# Altium PCB pixracer_pcb_layout.PcbDoc (continued)
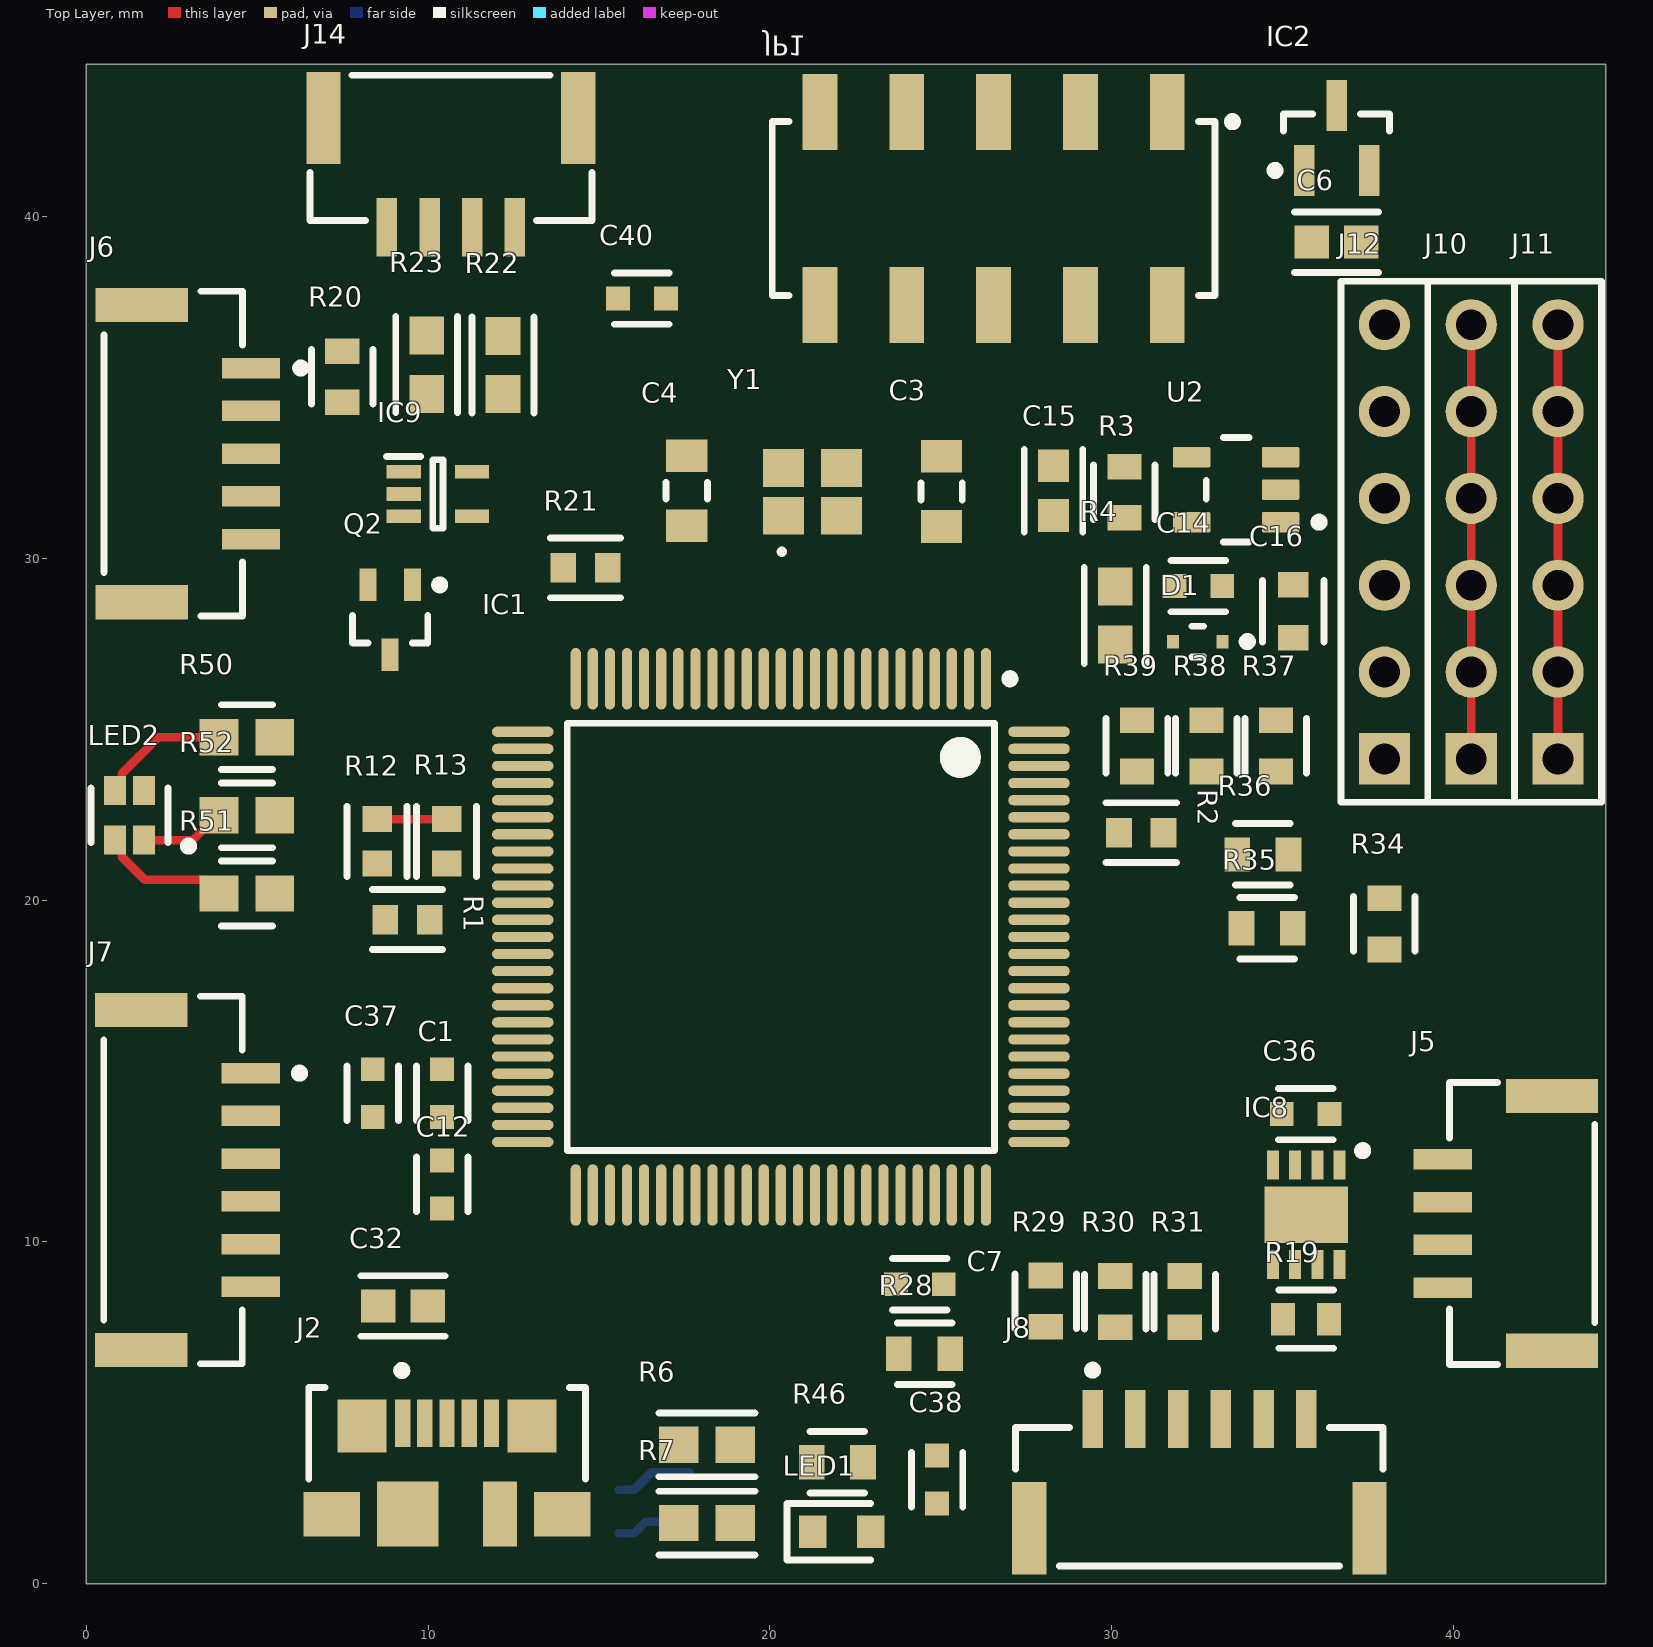
[diagram p0: Top Layer view]
## Part data (continued)
IC8: "Integrated Circuit", Arrow Part Number=TJA1051TK/3,118, Manufacturer_Name=NXP, Mouser Part Number=771-TJA1051TK/3118, Arrow Price/Stock=https://www.arrow.com/en/products/tja1051tk3118/nxp-semiconductors?region=nac, Datasheet Link=http://www.nxp.com/docs/en/data-sheet/TJA1051.pdf, Height=1mm, Manufacturer_Part_Number=TJA1051TK/3,118, Mouser Price/Stock=https://www.mouser.co.uk/ProductDetail/NXP-Semiconductors/TJA1051TK-3118?qs=fhAOlxDPaYVrDQ2e4g%252BBJA%3D%3D
IC9: "Integrated Circuit", Manufacturer_Name="Diodes Inc.", Mouser Part Number=621-74LVC1G86SE-7, Arrow Part Number=74LVC1G86SE-7, Arrow Price/Stock=https://www.arrow.com/en/products/74lvc1g86se-7/diodes-incorporated?region=nac, Datasheet Link=https://www.diodes.com/assets/Datasheets/74LVC1G86.pdf, Height=1.1mm, Manufacturer_Part_Number=74LVC1G86SE-7, Mouser Price/Stock=https://www.mouser.co.uk/ProductDetail/Diodes-Incorporated/74LVC1G86SE-7/?qs=8Dv1RiiPiVJ%252BnYSWg3kTgg%3D%3D
IC10: "Integrated Circuit", Manufacturer_Name=Nexperia, Mouser Part Number=771-LVC2G86DC125, Arrow Part Number=74LVC2G86DC,125, Arrow Price/Stock=https://www.arrow.com/en/products/74lvc2g86dc125/nexperia?region=nac, Datasheet Link=https://assets.nexperia.com/documents/data-sheet/74LVC2G86.pdf, Height=1mm, Manufacturer_Part_Number=74LVC2G86DC,125, Mouser Price/Stock=https://www.mouser.co.uk/ProductDetail/Nexperia/74LVC2G86DC125?qs=me8TqzrmIYXbZy3sMRjHUw%3D%3D
IC11: "Integrated Circuit", Manufacturer_Name="Diodes Inc.", Mouser Part Number=621-AP7365-33WG-7, Arrow Part Number=AP7365-33WG-7, Arrow Price/Stock=https://www.arrow.com/en/products/ap7365-33wg-7/diodes-incorporated?region=nac, Datasheet Link=https://componentsearchengine.com/Datasheets/1/AP7365-33WG-7.pdf, Height=1.3mm, Manufacturer_Part_Number=AP7365-33WG-7, Mouser Price/Stock=https://www.mouser.co.uk/ProductDetail/Diodes-Incorporated/AP7365-33WG-7?qs=abZ1nkZpTuOZFvxvoFPL0w%3D%3D
J1: library part CMP-2000-07080-1, "Male Header, Pitch 1 mm, 1 x 6 Position, Height 2.95 mm, -25 to 85 degC, RoHS, Tape and Reel", Manufacturer=JST, Package Description="Male Header, Pitch 1 mm, 1 X 6 Position, Height 2.9 mm", Package Reference=SM06B-SRSS-TB, Datasheet URL=https://datasheet.ciiva.com/26894/getdatasheetpartid-708885-26894671.pdf, Datasheet Version=11/2010, Manufacturer URL=http://www.jst.com/home2.html, Mounting Technology=SurfaceMount, No of Positions=6, Pitch=1mm, Style/Orientation=RightAngleHeader/Plug, Termination=Solder, Type=ShroudedHeader
J2: library part CMP-2000-05246-2, "CONN RCPT USB2.0 MICRO B SMD R/A", Current Rating=1.8A, Manufacturer=Molex, Package=0, Temperature="-30°C to +85°C", Temperature Range High=+85°C, Temperature Range Low=-30°C, Voltage Rating=30V, Automotive=No, Category=Conn, ComponentLink2Description=Datasheet, ComponentLink2URL=https://www.molex.com/webdocs/datasheets/pdf/en-us/0473460001_IO_CONNECTORS.pdf, Conn Orientation="Right Angle", Contact Material=Gold,Nickel, Device Class L1=Connectors, Device Class L2="USB Connectors", Device Class L3=unset, Digikey Description="CONN RCPT USB2.0 MICRO B SMD R/A", Footprint Url=https://www.molex.com/pdm_docs/sd/473460001_sd.pdf, Height=2.945mm, Is Female=yes, Lead Free=Yes, Manufacturer Part Number=473460001, Number Of Contacts=5, Octopart=https://octopart.com/47346-0001-molex-7164928, Pitch=0.65mm, RoHS=TRUE, Shielding=true, Usb Standard="USB 2.0"
J3 J7 J8 J9: library part CMP-17439-000061-1, "CONN HEADER SMD R/A 6POS 1.25MM", Color=Natural, Contact Resistance=50mR, Current Rating=1A, Housing Color=Beige, Max Operating Temperature=85°C, Max Voltage Rating (AC)=50V, Min Operating Temperature=-25°C, Connector Type="Outer Shroud Contact", Contact Material=Bronze, Contact Plating=Tin, Depth=4.05mm, Fastening Type=Ramp, Housing Material=Polyamide, Lead Free="Lead Free", Length=10.75mm, Max Current Rating=1A, Mount="Surface Mount", Number Of Contacts=6, Number of Positions=6, Number of Rows=1, Orientation="Right Angle", Packaging="Tape and Reel", Pitch=1.25mm, Termination=Solder, Voltage Rating=50V
J4: "Connector", Manufacturer_Name=Yamaichi, Mouser Part Number=945-PJS008-2120-0, Datasheet Link=https://componentsearchengine.com/Datasheets/1/PJS008-2120-0.pdf, Height=1.5mm, Manufacturer_Part_Number=PJS008-2120-0, Mouser Price/Stock=https://www.mouser.co.uk/ProductDetail/Yamaichi-Electronics/PJS008-2120-0?qs=pDnM3xHIg41mTHT1wk7bvQ%3D%3D
J5 J14: "Connector", Manufacturer_Name="JST (JAPAN SOLDERLESS TERMINALS)", Manufacturer_Part_Number=SM04B-GHS-TB(LF)(SN), Datasheet Link=http://uk.rs-online.com/web/p/products/7521797
J6 J13: library part CMP-17439-000048-1, "CONN HEADER SMD R/A 5POS 1.25MM", Color=Natural, Current Rating=1A, Max Operating Temperature=85°C, Min Operating Temperature=-25°C, Voltage Rating=50V, Connector Type="Outer Shroud Contact", Contact Material=Bronze, Contact Plating=Tin, Contact Type="Outer Shroud Contact", Fastening Type=Ramp, Housing Color=Natural, Housing Material=Nylon, Lead Free="Lead Free", Mount="Surface Mount", Number Of Contacts=5, Number of Positions=5, Number of Rows=1, Orientation="Right Angle", Packaging="Tape and Reel", Pitch=0.049inch, REACH SVHC="No SVHC", Series=GH, Termination=Solder, Voltage Rating (AC)=50V, Wire/Cable Gauge=26AWG
J10 J11 J12: "Header, 6-Pin", LatestRevisionDate=17-Jul-2002, LatestRevisionNote="Re-released for DXP Platform.", Publisher="Altium Limited"
JP1: library part CMP-1023-00207-1, "Tiger Claw(TM) Surface Mount Socket, Vertical, -55 to 125 degC, 2.54 mm Pitch, 10-Pin, Female, RoHS", Manufacturer=Samtec, Temperature Range="-55 to 125 degC", ComponentLink1Description="Manufacturer URL", ComponentLink1URL=http://www.samtec.com, ComponentLink2Description=Datasheet, ComponentLink2URL=http://www.samtec.com/documents/webfiles/pdf/SSM_SM.PDF, ComponentLink3Description="Package Specification", ComponentLink3URL=http://www.samtec.com/documents/webfiles/cpdf/SSM-1XX-XXX-DV-XX-XX-X-XX-MKT.pdf, DatasheetVersion=F-214, Mounting Technology="Surface Mount", Orientation=Vertical, PackageDescription=".100 C.L. Double Vertical SMT Socket Strip", PackageReference=SSM-105-X-DV, PackageVersion="AK, 3/2000", PartNumber=SSM-105-L-DV, Pitch="2.54 mm", RoHS=True
LED1: "LED", Manufacturer_Name=Kingbright, Mouser Part Number=604-APG1608ZGCK, Arrow Part Number=APG1608ZGCK, Arrow Price/Stock=https://www.arrow.com/en/products/apg1608zgck/kingbright, Datasheet Link=http://www.kingbrightusa.com/images/catalog/SPEC/APG1608ZGCK.pdf, Height=0.28mm, Manufacturer_Part_Number=APG1608ZGCK, Mouser Price/Stock=https://www.mouser.co.uk/ProductDetail/Kingbright/APG1608ZGCK?qs=Oo40KB9lBTmmOma0ledTcg%3D%3D
LED2: library part CMP-2000-05201-2, "LED RGB DIFFUSED CHIP SMD", Case Code (Imperial)=0606, Case Code (Metric)=1616, Color=Blue, Forward Current=20mA, Forward Voltage=3.35V, Lens Color=White, Max Operating Temperature=80°C, Min Operating Temperature=-20°C, Package Quantity=3000, Reverse Voltage=5V, Case/Package=0606, Depth=1.6mm, Dominant Wavelength=470nm, Height=0.35mm, Lead Free="Lead Free", Length=1.6mm, Lens Style=Diffused, Lens Transparency=Diffused, Luminous Intensity=180mcd, Mount="Surface Mount", Number of Elements=3, Number of LEDs=3, Number of Pins=4, Packaging="Tape and Reel", Radiation Hardening=No, Test Current=20mA, Viewing Angle=130°, Width=1.6mm
Q1: "MOSFET (N-Channel)", Manufacturer_Name=Torex, Mouser Part Number=865-XP151A12A2MR-G, Datasheet Link=https://www.torexsemi.com/file/xp151a12a2mr/XP151A12A2MR.pdf, Height=1.3mm, Manufacturer_Part_Number=XP151A12A2MR-G, Mouser Price/Stock=https://www.mouser.co.uk/ProductDetail/Torex-Semiconductor/XP151A12A2MR-G?qs=AsjdqWjXhJ%252BYt8dSaKx3TA%3D%3D
Q2: library part CMP-1099-00033-1, "P-Channel OptiMOS P Small-Signal-Transistor, -20 V VDS, -0.39 A ID, -55 to 150 degC, PG-SOT-323, Reel, Green", Manufacturer=Infineon, ComponentLink1Description="Manufacturer URL", ComponentLink1URL=http://www.infineon.com/, ComponentLink2Description=Datasheet, ComponentLink2URL=http://www.infineon.com/dgdl/BSS223PW_Rev1.5.pdf?folderId=db3a304314dca38901154a72e3951a65&fileId=db3a3043321e49940132481523b6245f, ComponentLink3Description="Package Specification", ComponentLink3URL=http://www.infineon.com/dgdl/SOT323-Package_Overview.pdf?folderId=db3a30431936bc4b0119533e1dcb3c92&fileId=db3a30431936bc4b011953495f283cb1, DatasheetVersion="Rev. 1.5", Green=TRUE, Halogen-free=TRUE, ID (max)="-0.39Â A", IDpuls (max)="-1.56Â A", Mounting Technology="Surface Mount", PackageDescription="3-Pin Small Outline Transistor Package, 2 x 1.25 mm Body, 0.65 mm Pitch", PackageReference=PG-SOT-323, PackageVersion=Apr-08, Packing=Reel, PartNumber="BSS223PW H6327", Pto t (max)="0.25Â W", QG="-0.5Â nC", RDS (on) (max)="2,100Â mOhm", RDS (on) (max) (@2.5V)="2,100Â mOhm", RDS (on) (max) (@4.5V)="1,200Â mOhm", Rth="500Â K/W", VDS (max)="-20Â V", VGS(th) (max)="-1.2Â V", VGS(th) (min)="-0.6Â V"
R1 R2 R12 R13 R21 R42 R48 R49 R53: library part CMP-2000-00704-2, "RES SMD 10K OHM 5% 1/10W 0603", Case Code (Imperial)=0603, Case Code (Metric)=1608, Max Operating Temperature=155°C, Max Power Dissipation=100mW, Min Operating Temperature=-55°C, Package Quantity=1, Resistance=10kR, Resistance Tolerance=5%, Resistor Type="Thick Film", Temperature Coefficient=200ppm/°C, Voltage Rating=75V, Voltage Rating (DC)=50V, Case/Package=0603, Construction=Rectangular, Contact Plating=Tin, Depth=0.8mm, Features="Automotive AEC-Q200", Height=0.45mm, Lead Free="Lead Free", Length=1.6mm, Military Standard=Not, Mount="Surface Mount", Number of Terminations=2, Packaging="Tape and Reel", Power Rating=100mW, REACH SVHC="No SVHC", RoHS Compliant=Yes, Series=ERJ, Technology="THICK FILM", Termination=SMD/SMT, Tolerance=5%, Weight=7.1E-05oz, Width=0.8mm, Working Voltage=75V
R3 R5 R20 R24 R25 R26 R27 R28 R29 R30 R31 R34 R35 R36 R37 R38 R39 R44 R45 R46: library part CMP-02407-003555-1, "RES Thick Film, 220Ω, 1%, 0.1W, 100ppm/°C, 0603", Case Code (Imperial)=0603, Case Code (Metric)=1608, Max Operating Temperature=155°C, Max Power Dissipation=100mW, Min Operating Temperature=-55°C, Package Quantity=10000, Resistance=220R, Temperature Coefficient=100ppm/°C, Tolerance=1%, Voltage Rating=75V, Case/Package=0603, Composition="Thick Film", Depth=0.85mm, Features="Automotive AEC-Q200", Height=0.02inch, Lead Free="Lead Free", Length=1.55mm, Military Standard=Not, Number of Terminations=2, Packaging="Tape and Reel", Power Rating=100mW, Termination=SMD/SMT, Weight=7.1E-05oz, Width=0.85mm
R4 R8 R9 R22 R23: library part CMP-13261-002301-1, "Res Thick Film 0603 1kΩ 5% 0.1W ±100ppm/°C Molded SMD T/R", Case Code (Imperial)=0603, Case Code (Metric)=1608, Max Operating Temperature=155°C, Max Power Dissipation=100mW, Min Operating Temperature=-55°C, Resistance=1kR, Temperature Coefficient=100ppm/°C, Tolerance=5%, Voltage Rating (DC)=50V, Case/Package=0603, Composition="Thick Film", Contact Plating=Tin, Depth=0.8mm, Features="Moisture Resistant", Height=0.022inch, Lead Free="Lead Free", Length=1.6mm, Military Standard=Not, Mount="Surface Mount", Number of Terminations=2, Packaging="Tape and Reel", Power Rating=100mW, Radiation Hardening=No, Width=0.031inch
R6 R7: library part CMP-02407-008302-1, "RES Thick Film, 22Ω, 5%, 0.33W, 200ppm/°C, 0603", Case Code (Imperial)=0603, Case Code (Metric)=1608, Max Operating Temperature=155°C, Min Operating Temperature=-55°C, Package Quantity=5000, Power Rating=250mW, Resistance=22R, Temperature Coefficient=200ppm/°C, Tolerance=5%, Voltage Rating=75V, Case/Package=0603, Composition="Thick Film", Contact Plating=Tin, Depth=0.85mm, Height=0.45mm, Lead Free="Lead Free", Length=1.6mm, Military Standard=Not, Mount="Surface Mount", Packaging="Tape and Reel", Radiation Hardening=No, Weight=7.1E-05oz, Width=0.8mm
R10 R11: library part CMP-02407-009732-1, "RES Thick Film, 1MΩ, 5%, 0.33W, 200ppm/°C, 0603", Case Code (Imperial)=0603, Case Code (Metric)=1608, Max Operating Temperature=155°C, Max Power Dissipation=250mW, Min Operating Temperature=-55°C, Package Quantity=1, Resistance=1MR, Temperature Coefficient=200ppm/°C, Tolerance=5%, Voltage Rating=75V, Case/Package=0603, Composition="Thick Film", Contact Plating=Tin, Features="Automotive AEC-Q200", Height=0.022inch, Lead Free="Lead Free", Length=0.063inch, Number of Terminations=2, Packaging="Tape and Reel", Power Rating=250mW, Radiation Hardening=No, Termination=SMD/SMT, Weight=7.1E-05oz, Width=0.8mm
R14 R15 R16 R17 R18: library part CMP-26527-000115-1, "100kΩ ±5% 0.1W 0603 Thick Film Chip Resistor AEC-Q200 compliant", Case Code (Imperial)=0603, Case Code (Metric)=1608, Max Operating Temperature=155°C, Max Power Dissipation=100mW, Min Operating Temperature=-55°C, Resistance=100kR, Resistor Type="Thick Film", Temperature Coefficient=100ppm/°C, Tolerance=5%, Case/Package=0603, Construction=Rectangular, Contact Plating=Tin, Depth=0.8mm, Features="Automotive AEC-Q200", Height=0.022inch, Lead Free="Lead Free", Length=1.55mm, Military Standard=Not, Mount="Surface Mount", Number of Terminations=2, Packaging="Tape and Reel", Power Rating=100mW, Radiation Hardening=No, RoHS Compliant=Yes, Series=RMCF, Width=0.031inch
R19: library part CMP-02407-011907-1, "RES SMD 100 OHM 1% 1/8W 0603", Case/Package=0603, Max Operating Temperature=125°C, Max Power Dissipation=100mW, Min Operating Temperature=-55°C, Resistance=120R, Resistor Type="Thin Film", Temperature Coefficient=25ppm/°C, Tolerance=0.1%, Construction=Rectangular, Contact Plating=Tin, Depth=0.85mm, Features=Anti-Sulfur, Height=0.45mm, Lead Free="Lead Free", Length=1.55mm, Military Standard=Not, Mount="Surface Mount", Number of Terminations=2, Packaging="Tape and Reel", Power Rating=100mW, Radiation Hardening=No, RoHS Compliant=Yes, Series="MCT - Precision", Size Code=0603, Technology="THIN FILM", Width=850um
R32 R33: library part CMP-03211-005433-1, "RES SMD 1.5KΩ 0.1% 1/16W 0603", Manufacturer="TE Connectivity", Package=CPF0603, Power Rating=0.063W, Resistance=1.5KΩ, Temperature="-55°C to +155°C", Temperature Coefficient=25ppm/°C, Temperature Range High=+155°C, Temperature Range Low=-55°C, Tolerance=0.1%, Voltage Rating=50V, Automotive=No, Category=Res, ComponentLink2Description=Datasheet, ComponentLink2URL=https://www.te.com/commerce/DocumentDelivery/DDEController?Action=showdoc&DocId=Data+Sheet%7F1773200%7FM%7Fpdf%7FEnglish%7FENG_DS_1773200_M.pdf%7F3-1676481-2, Composition="Thin Film", Device Class L1="Passive Components", Device Class L2=Resistors, Device Class L3="Chip SMD Resistors", Height=0.55mm, Ipc Land Pattern Name=RESC15580X45, Lead Free=Yes, Manufacturer Part Number=CPF0603B1K5E1, Octopart=https://octopart.com/cpf0603b1k5e1-te+connectivity-9539421, octopart_url=https://octopart.com/cpf0603b1k5e1-te+connectivity-9539421, Packaging="1k Reel", RoHS=TRUE, Series=CPF
R40: library part CMP-08839-007837-1, "Thick Film Chip Resistor, 0603, 1.5kΩ, 1%, 100ppm/°C, 0.1W, 50V", Case Code (Imperial)=0603, Case Code (Metric)=1608, Max Operating Temperature=155°C, Max Power Dissipation=100mW, Min Operating Temperature=-55°C, Package Quantity=5000, Resistance=1.5kR, Resistor Type="Thick Film", Temperature Coefficient=100ppm/°C, Tolerance=1%, Voltage Rating (DC)=50V, Case/Package=0603, Depth=0.8mm, Features="Automotive AEC-Q200", Height=0.022inch, Lead Free="Lead Free", Length=0.063inch, Military Standard=Not, Mount="Surface Mount", Number of Terminations=2, Packaging="Tape and Reel", Power Rating=100mW, RoHS Compliant=Yes, Width=0.031inch
R41: library part CMP-2000-03274-2, "RES Thick Film, 36Ω, 5%, 0.1W, 200ppm/°C, 0603", Case Code (Imperial)=0603, Case Code (Metric)=1608, Max Operating Temperature=155°C, Max Power Dissipation=100mW, Min Operating Temperature=-55°C, Package Quantity=1, Resistance=36R, Temperature Coefficient=200ppm/°C, Tolerance=5%, Voltage Rating=75V, Case/Package=0603, Composition="Thick Film", Contact Plating=Tin, Features="Automotive AEC-Q200", Height=0.02inch, Lead Free="Lead Free", Length=0.061inch, Number of Terminations=2, Packaging="Tape and Reel", Power Rating=100mW, Radiation Hardening=No, Voltage Rating (DC)=75V, Weight=7.1E-05oz, Width=0.033inch
R43: library part CMP-2000-03374-2, "RES Thick Film, 470Ω, 5%, 0.1W, 200ppm/°C, 0603", Case Code (Imperial)=0603, Case Code (Metric)=1608, Max Operating Temperature=155°C, Max Power Dissipation=100mW, Min Operating Temperature=-55°C, Package Quantity=1, Resistance=470R, Temperature Coefficient=200ppm/°C, Tolerance=5%, Voltage Rating=75V, Case/Package=0603, Composition="Thick Film", Contact Plating=Tin, Depth=0.85mm, Features="Automotive AEC-Q200", Height=0.45mm, Length=1.55mm, Military Standard=Not, Mount="Surface Mount", Number of Terminations=2, Packaging="Tape and Reel", Power Rating=100mW, Radiation Hardening=No, Termination=SMD/SMT, Weight=7.1E-05oz, Width=0.033inch, Working Voltage=75V
R47: library part CMP-2000-04347-2, "RES SMD 10 OHM 0.1% 1/10W 0603", Manufacturer=Yageo, Package=RT0603, Power Rating=0.1W, Resistance=10Ω, Temperature="-55°C to +155°C", Temperature Coefficient="25 ppm/°C", Temperature Range High=+155°C, Temperature Range Low=-55°C, Tolerance=0.001, Voltage Rating=75V, Automotive=No, Category=Res, ComponentLink2Description=Datasheet, ComponentLink2URL=http://www.yageo.com/documents/recent/PYu-RT_1-to-0.01_RoHS_L_9.pdf, Composition="Thin Film", Device Class L1="Passive Components", Device Class L2=Resistors, Device Class L3="Chip SMD Resistors", Digikey Description="RES SMD 10 OHM 0.1% 1/10W 0603", Footprint Url=http://www.yageo.com/exep/pages/download/literatures/PYu-R_Mount_10.pdf, Height=0.55mm, Ipc Land Pattern Name=RESC16080X45, Lead Free=Yes, Manufacturer Part Number=RT0603BRD0710RL, Mouser Description="Thin Film Resistors - SMD 1/10W 10 ohm .1% 25ppm", Octopart=https://octopart.com/rt0603brd0710rl-yageo-1216748, RoHS=TRUE, Series=RT
R50 R51 R52: library part CMP-2000-03825-2, "RES Thick Film, 100Ω, 1%, 0.1W, 100ppm/°C, 0603", Case Code (Imperial)=0603, Case Code (Metric)=1608, Max Operating Temperature=155°C, Max Power Dissipation=100mW, Min Operating Temperature=-55°C, Package Quantity=10000, Resistance=100R, Temperature Coefficient=100ppm/°C, Tolerance=1%, Voltage Rating=75V, Case/Package=0603, Composition="Thick Film", Contact Plating=Tin, Depth=0.85mm, Features="Automotive AEC-Q200", Height=0.02inch, Lead Free="Lead Free", Length=1.55mm, Military Standard=Not, Number of Terminations=2, Packaging="Tape and Reel", Power Rating=100mW, Radiation Hardening=No, Termination=SMD/SMT, Voltage Rating (DC)=75V, Weight=7.1E-05oz, Width=0.033inch
U1 U2: library part CMP-04917-000018-1, "IC REG LINEAR 3.3V 250MA SOT23-5", Dropout Voltage=120mV, Manufacturer="Texas Instruments", Max Junction Temp=+125°C, Max Supply Voltage=5.5V, Min Supply Voltage=2.2V, Nominal Supply Current=12-250uA, Output Current=250mA, Output Voltage=3.3V, Package=DBV0005A, Temperature="-40°C to +125°C", Temperature Range Low=-40°C, Automotive=Yes, Automotive Grade="Grade 1", Category=IC, ComponentLink2Description=Datasheet, ComponentLink2URL=http://www.ti.com/lit/ds/symlink/lp5907-q1.pdf, Device Class L1="Integrated Circuits (ICs)", Device Class L2="Power Management ICs", Device Class L3="Voltage Regulators - Linear", Digikey Description="IC REG LINEAR 3.3V 250MA SOT23-5", Height=1.45mm, Lead Free=Yes, Manufacturer Part Number=LP5907QMFX-3.3Q1, Mouser Description="Automotive 250-mA ultra-low-noise low-IQ low-dropout (LDO) linear regulator 5-SOT-23 -40 to 125", Number Of Outputs=1, Octopart=https://octopart.com/lp5907qmfx-3.3q1-texas+instruments-50417899, Output Type=Fixed, RoHS=TRUE, Standoff Height=0mm, Temperature Range High=+125°C
U3: library part CMP-2000-07463-2, "SENSOR MR I2C/SPI 12LGA", Manufacturer=STMicroelectronics, Max Supply Voltage=3.6V, Min Supply Voltage=1.71V, Operating Supply Current=40-270uA, Package=VFLGA-12-8365767, Temperature="-40°C to +85°C", Temperature Range High=+85°C, Temperature Range Low=-40°C, Automotive=No, Category=IC, ComponentLink2Description=Datasheet, ComponentLink2URL=https://www.st.com/resource/en/datasheet/lis3mdl.pdf, Device Class L1=Sensors, Device Class L2="Magnetic Sensors", Device Class L3=unset, Digikey Description="SENSOR MR I2C/SPI 12LGA", Footprint Url=https://www.st.com/content/ccc/resource/technical/document/technical_note/73/17/9c/16/dd/96/4a/01/CD00134799.pdf/files/CD00134799.pdf/jcr:content/translations/en.CD00134799.pdf, Height=1mm, Lead Free=Yes, Manufacturer Part Number=LIS3MDLTR, Mouser Description="Board Mount Hall Effect / Magnetic Sensors Ultra Lo-Pwr Hi Perf 3-Axis 1.9-3.6V", Octopart=https://octopart.com/lis3mdltr-stmicroelectronics-29403125, RoHS=TRUE, Sensing Method=Magnetic, Sensor Output=I2C,SPI
Y1: "Crystal or Oscillator", Manufacturer_Name="Epson Timing", Manufacturer_Part_Number="FA-20H 24.0000MF20X-K3", Mouser Part Number=732-FA20H-24F20X-K3, Datasheet Link=https://support.epson.biz/td/api/doc_check.php?dl=brief_FA-20H&lang=en, Height=0.55mm, Mouser Price/Stock=https://www.mouser.co.uk/ProductDetail/Epson-Timing/FA-20H-240000MF20X-K3?qs=CANAagUtPAp2w31393daZQ%3D%3D

## Nets (pads, with @x,y where several pads share a name; then routed paths per layer and width w, separated by ;. In a path a pad name is that pad's centre, name@x,y a point inside that pad or via, vN(x,y) a via of type N, cw(c..) or ccw(c..) an arc to the next point about the centre after c; other vN are vias at no path point)
8266_CTS: IC1.41 JP1.10
8266_GPIO0: IC1.1 JP1.6
8266_GPIO2: IC1.90 JP1.4
8266_PD: IC1.4 JP1.3
8266_RST: IC1.5 JP1.5
8266_RTS: IC1.67 JP1.9
20608_CS: IC1.9 IC5.5
20608_DRDY: IC1.8 IC5.6
\R\S\T\: IC1.14 IC2.1
ALARM: IC1.77 R48.1
BARO_CS: IC1.88 IC6.5
BATT_CURRENT_SENS: C33.1 IC1.26 R8.2
BATT_VOLT_SENS: C34.1 IC1.25 R9.2
BUZZER+: D5.1 J13.5 R47.2
BUZZER-: D5.2 J13.4 Q1.3
CAN1_RX: IC1.81 IC8.4
CAN1_TX: IC1.82 IC8.1
FMU_CH1: IC1.45 R34.2
FMU_CH2: IC1.44 R35.2
FMU_CH3: IC1.42 R36.2
FMU_CH4: IC1.40 R37.2
FMU_CH5: IC1.60 R38.2
FMU_CH6: IC1.61 R39.2
FMU_I2C1_SCL: IC1.95 J9.4 R32.2
FMU_I2C1_SDA: IC1.96 J9.5 R33.2
FMU_LED_BLUE: IC1.89 R50.2
FMU_LED_GREEN: IC1.36 R51.2
FMU_LED_RED: IC1.48 R52.2
FMU_RC_INPUT: IC1.64 IC9.4
FMU_SWCLK: IC1.76 J1.5
FMU_SWDIO: IC1.72 J1.4
FMU_UART7_RX: IC1.38 J1.3
FMU_UART7_TX: IC1.39 J1.2
FMU_USART1_RX: IC1.93 JP1.1
FMU_USART1_TX: IC1.92 JP1.8
FMU_USART2_CTS: IC1.84 R30.1
FMU_USART2_RTS: IC1.85 R31.1
FMU_USART2_RX: IC1.87 R29.1
FMU_USART2_TX: IC1.86 R28.1
FMU_USART3_CTS: IC1.58 R26.1
FMU_USART3_RTS: IC1.59 R27.1
FMU_USART3_RX: IC1.56 R25.1
FMU_USART3_TX: IC1.55 R24.1
FMU_USART4_RX: IC1.24 J9.3
FMU_USART4_TX: IC1.23 J9.2
FMU_USART8_RX: IC1.97 IC10.3
FMU_USART8_TX: IC1.98 IC10.2
FMU_VBAT: C16.1 D1.1 IC1.6
FMU_VDD_3V3: C5.1 C6.1 C15.1 C35.1 IC2.2 IC3.3 IC3.7 IC3.8 IC8.5 IC9.5 IC10.8 J1.1 J4.4 J13.3 LED2.4 R3.2 R4.1 R32.1 R33.1 U2.5 | length 2.3
  Bottom Layer w0.254: IC3.3 16.029,2.75 16.544,3.266 C5.1
FRAM_CS: IC1.57 IC3.1
FRAM_MISO: IC1.53 IC3.2 IC6.6
FRAM_MOSI: IC1.54 IC3.5 IC6.7
FRAM_SCK: IC1.47 IC3.6 IC6.8
FrSky_IN: J14.3 R23.1
FrSky_INV: IC1.69 IC10.1 IC10.5
FrSky_OUT: J14.2 R22.1
GND: C1.1 C2.1 C3.2 C4.1 C5.2 C6.2 C7.1 C8.1 C9.1 C10.1 C11.1 C12.1 C13.1 C14.1 C15.2 C16.2 C17.1 C18.1 C19.1 C20.1 C21.1 C22.1 C23.1 C24.2 C25.2 C27.2 C28.1 C29.2 C30.1 C31.1 C32.1 C33.2 C34.2 C35.2 C36.1 C37.2 C38.2 C39.3 C39.4 C40.2 C41.2 C42.2 C43.2 C44.2 C45.2 C46.1 C47.1 C48.1 D3.2 IC1.10 IC1.20 IC1.27 IC1.74 IC1.99 IC2.3 IC3.4 IC4.11 IC4.18 IC4.20 IC5.7 IC5.8 IC5.9 IC5.10 IC5.11 IC5.12 IC5.13 IC5.15 IC6.2 IC6.3 IC7.2 IC8.2 IC8.8 IC8.9 IC9.3 IC10.4 IC11.2 J1.6 J2.5 J2.6 J2.7 J3.5 J3.6 J4.6 J4.G1 J4.G2 J4.G3 J5.4 J6.5 J7.6 J8.6 J9.6 J11.1 J11.2 J11.3 J11.4 J11.5 J11.6 J14.4 JP1.2 Q1.2 R1.2 R2.2 R3.1 R5.1 R10.2 R11.2 R13.2 R40.2 R43.2 R45.2 R46.2 R49.2 R53.2 U1.2 U2.2 U3.2 U3.3 U3.12 Y1.2 Y1.4 | length 14.9
  Top Layer w0.254: J11.1 J11.2 J11.3 J11.4 J11.5 J11.6
  Bottom Layer w0.254: IC3.4 16.029,1.48 16.362,1.814 C5.2
LED_SAFETY: IC1.18 R41.1
MPU9250_CS: IC1.17 IC4.22
MPU9250_DRDY: IC1.62 IC4.12
MPU9250_MISO: IC1.31 IC4.9 IC5.4 U3.9
MPU9250_MOSI: IC1.32 IC4.24 IC5.3 U3.11
MPU9250_SCK: IC1.30 IC4.23 IC5.2 U3.1
NetC1_2: C1.2 IC1.49 | length 0
  Top Layer w0.254: IC1.49@12.761,13.414 IC1.49
NetC2_2: C2.2 C8.2 C9.2 C10.2 C11.2 C12.2 C13.2 IC1.11 IC1.19 IC1.21 IC1.22 IC1.28 IC1.50 IC1.75 IC1.100
NetC7_2: C7.2 IC1.73
NetC19_2: C19.2 IC4.10
NetC24_1: C24.1 IC5.14
NetC26_2: C26.2 C27.1 U1.1
NetC26_3: C26.3 C26.4
NetC39_2: C39.2 J9.1
NetC41_1: C41.1 D2.1 F1.2 R44.1
NetC48_2: C48.2 U3.4
NetD1_2: D1.2 R4.2
NetD4_1: D4.1 F2.1
NetIC1_37: IC1.37 R1.1
NetIC1_94: IC1.94 R2.1
NetIC8_6: IC8.6 J5.3 R19.1
NetIC8_7: IC8.7 J5.2 R19.2
NetIC10_6: IC10.6 R23.2
NetIC10_7: IC10.7 R22.2
NetJ2_2: J2.2 R6.1
NetJ2_3: J2.3 R7.1
NetJ3_3: J3.3 R8.1 R10.1
NetJ3_4: J3.4 R9.1 R11.1
NetJ6_2: J6.2 R20.2
NetJ6_3: J6.3 R21.1
NetJ7_2: J7.2 R24.2
NetJ7_3: J7.3 R25.2
NetJ7_4: J7.4 R26.2
NetJ7_5: J7.5 R27.2
NetJ8_2: J8.2 R28.2
NetJ8_3: J8.3 R29.2
NetJ8_4: J8.4 R30.2
NetJ8_5: J8.5 R31.2
NetJ12_1: J12.1 R34.1
NetJ12_2: J12.2 R35.1
NetJ12_3: J12.3 R36.1
NetJ12_4: J12.4 R37.1
NetJ12_5: J12.5 R38.1
NetJ12_6: J12.6 R39.1
NetJ13_2: J13.2 R41.2
NetLED1_1: LED1.1 R46.1
NetLED2_1: LED2.1 R52.1 | length 2.5
  Top Layer w0.254: LED2.1 3.122,21.754 3.847,22.479 R52.1
NetLED2_2: LED2.2 R51.1 | length 3.9
  Top Layer w0.254: LED2.2 1.043,21.556 1.043,21.264 1.71,20.597 3.48,20.597 R51.1
NetLED2_3: LED2.3 R50.1 | length 3.9
  Top Layer w0.254: LED2.3 1.043,23.402 1.043,23.694 2.114,24.765 R50.1
NetQ1_1: Q1.1 R48.2 R49.1
NetR14_2: R14.2 R15.1 R16.1 R17.1 R18.1
nMAG_CS: IC1.46 U3.10
nMAG_DRDY: IC1.43 U3.8
OSC_IN: C3.1 IC1.12 Y1.3
OSC_OUT: C4.2 IC1.13 Y1.1
OTG_FS_DM: IC1.70 R6.2
OTG_FS_DP: IC1.71 R7.2
RC_INPUT: IC1.35 IC9.2 R20.1
RSSI_IN: IC1.16 R21.2
SAFETY_SWITCH_IN: IC1.33 J13.1 R40.1
SBUS_INV: IC1.7 IC9.1
SDIO_CK: IC1.80 J4.5
SDIO_CMD: IC1.83 J4.3 R17.2
SDIO_D0: IC1.65 J4.7 R18.2
SDIO_D1: IC1.66 J4.8 R14.1
SDIO_D2: IC1.78 J4.1 R15.2
SDIO_D3: IC1.79 J4.2 R16.2
SPEKTRUM_POWER: IC1.3 Q2.1
VBUS: C32.2 D2.2 IC1.68 J2.1 R42.1 R43.1
VBUS_VALID: IC1.15 R42.2
VDD_1V8_SENSORS: C20.2 C21.2 C31.2 IC4.8 IC7.5
VDD_3V3_PERIPH: C44.1 C45.1 IC11.5 JP1.7 Q2.2
VDD_3V3_PERIPH_EN: IC1.34 IC11.3 R53.1
VDD_3V3_SENSORS: C17.2 C18.2 C22.2 C23.2 C25.1 C28.2 C29.1 C46.2 C47.2 IC4.13 IC5.1 IC5.16 IC6.1 R5.2 U1.5 U3.5 U3.6
VDD_3V3_SENSORS_EN: IC1.2 IC7.3 U1.3
VDD_3V3_SPEKTRUM: J6.4 Q2.3
VDD_5V_BRICK: F1.1 J3.1 J3.2
VDD_5V_IN: C14.2 C26.1 C30.2 C42.1 C43.1 D2.3 D3.1 D4.2 F3.1 IC7.1 IC11.1 LED1.2 R12.1 R47.1 U2.1 U2.3
VDD_5V_PERIPH: C36.2 C37.1 C38.1 C39.1 C40.1 F3.2 IC8.3 J5.1 J7.1 J8.1 J14.1
VDD_5V_RECEIVER: F2.2 J6.1
VDD_5V_SENS: IC1.29 R12.2 R13.1 | length 2
  Top Layer w0.254: R12.2 R13.1 ; IC1.29@12.761,23.414 IC1.29
VDD_BRICK_VALID: IC1.91 R44.2 R45.1
VDD_SERVO: J10.1 J10.2 J10.3 J10.4 J10.5 J10.6 | length 12.7
  Top Layer w0.254: J10.1 J10.2 J10.3 J10.4 J10.5 J10.6
pads on no net: D2.4 IC1.51 IC1.52 IC1.63 IC4.1 IC4.2 IC4.3 IC4.4 IC4.5 IC4.6 IC4.7 IC4.14 IC4.15 IC4.16 IC4.17 IC4.19 IC4.21 IC6.4 IC7.4 IC11.4 J1.MP1 J1.MP2 J2.4 J2.8 J2.9 J2.10 J2.11 J3.7 J3.8 J4.CD1 J4.MP1 J5.5 J5.6 J6.6 J6.7 J7.7 J7.8 J8.7 J8.8 J9.7 J9.8 J13.6 J13.7 J14.5 J14.6 U1.4 U2.4 U3.7